# KiCad board Soldermander_panelized_panelized.kicad_pcb (continued)
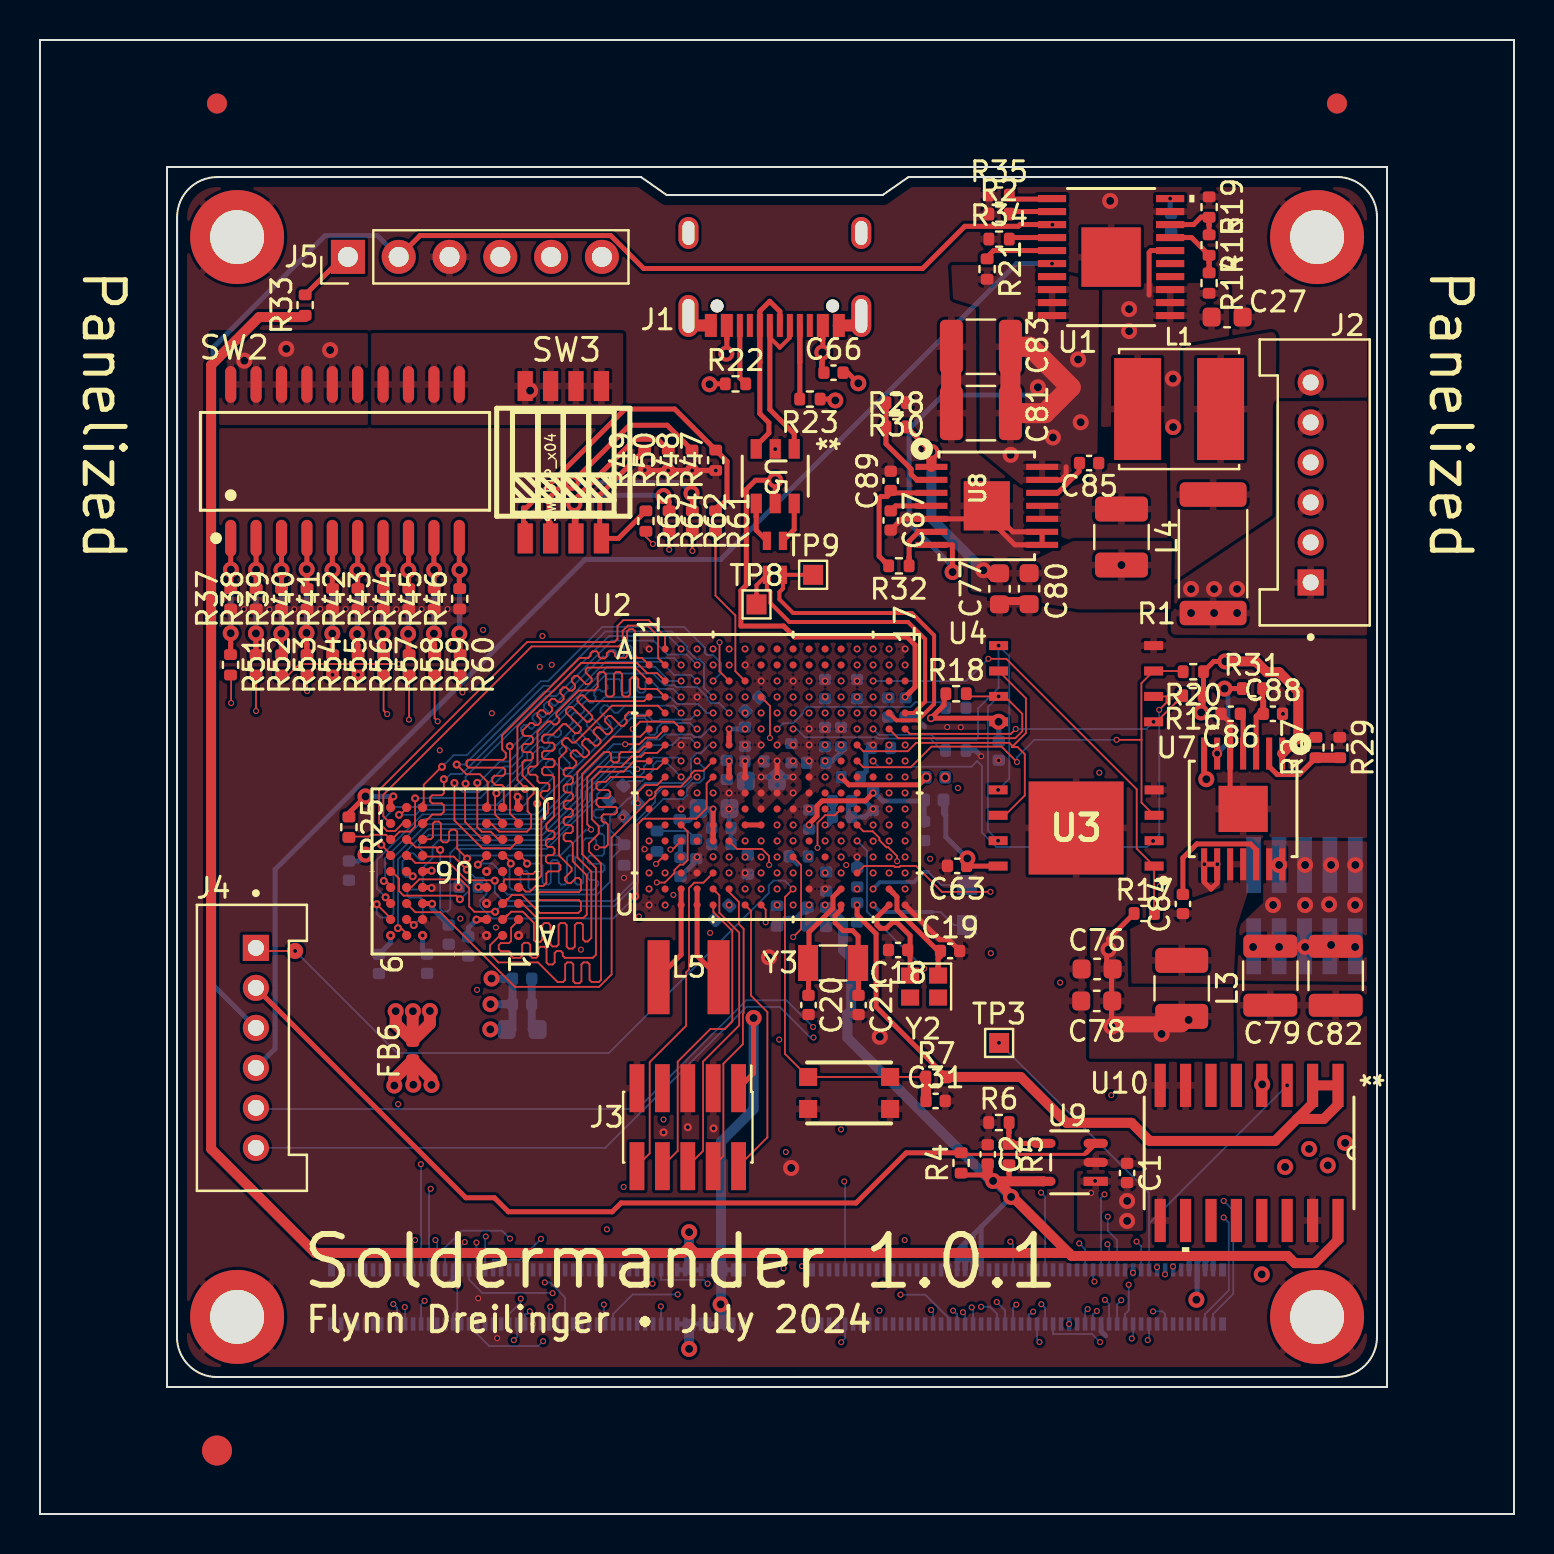
[diagram p0: board, top side]
## Routing (per net, layer and track width the routed paths; a pad name or vN(x,y) marks a point on that pad's centre or on a via; arc(x,y) is an arc through that point) (continued)
BT_CFG_IO_EN: length 33.5
  In1.Cu w0.09: v1(40.06,32.86) 39.76,32.56 39.76,16.62 41.61,14.77 41.61,10.53 v1(41.97,10.17)
  In2.Cu w0.09: 51.46,9.53 42.61,9.53 v1(41.97,10.17) ; 51.46,9.53 v1(51.46,9.5) ; 51.46,9.53 51.48,9.53
DAC_OUT: length 36.8
  Top w0.09: v1(42.46,37.66) 42.46,37.66 U2.H16
  In1.Cu w0.09: v1(54.83,13.62) 54.95,13.75 54.95,35.08 v1(52.97,37.07)
  In2.Cu w0.09: v1(52.97,37.07) 47.25,37.07 46.37,37.96 42.75,37.96 v1(42.46,37.66)
  Bottom w0.09: J6.20 55.06,13.4 v1(54.83,13.62)
DCDC_1V8_OUT: length 0.8
  Top w0.25: U2.M8 U2.M7
EN_ADCS: length 154.4
  Top w0.25: v1(50.62,64.47) 50.61,64.47 U1.13 49.01,64.48 48.92,64.39 46.24,64.39 44.13,62.28 30.18,62.28 28.54,63.93 19,63.93 J5.2 ; U10.4 61.09,21.46 v3(61.11,21.48)
  In1.Cu w0.25: v1(50.62,64.47) 58.34,64.47 65.2,57.61 65.2,37.67 60.04,32.51 60.04,22.55 v3(61.11,21.48) 61.11,11.97 61.11,11.97 v3(61.09,11.98) 61.07,11.97
  In2.Cu w0.25: v3(61.09,11.98) 60.62,11.51 55.2,11.51 v1(54.65,12.06)
  Bottom w0.25: J6.22 54.65,12.2 v1(54.65,12.06) ; J4.3 8.66,26.45 8.66,58.33 14.26,63.93 16.87,63.93 J5.2
EN_LP: length 48.2
  Top w0.15: 52.31,18.06 52.23,17.98 46.13,17.98 46.05,18.06
  Top w0.25: 52.31,18.06 U9.3 ; 46.06,18.06 46.05,18.06 43.31,18.06 40.8,15.55 29.05,15.55 28.61,15.11 23.42,15.11 22.72,15.81 21.29,15.81 J4.2 ; 46.06,18.06 R4.2 ; 46.06,18.06 46.09,18.02
ENET_RGMII_MDC: length 26.7
  Top w0.09: U2.U2 31.26,30.45 v1(31.26,30.44)
  In2.Cu w0.09: v1(31.26,30.44) 17.67,16.85 v1(17.67,10.5)
  Bottom w0.09: J7.85 17.86,10.31 v1(17.67,10.5)
ENET_RGMII_RX_EN: length 36.9
  Top w0.09: U2.E13 40.06,40.06 v1(40.06,40.06)
  In1.Cu w0.09: v1(33.38,11.52) 36.82,11.52 37.47,12.16 37.47,12.87 36.95,13.39 36.95,23.29 37.26,23.6 37.26,33.84 37.16,33.94 37.16,34.65 38.17,35.66 38.17,36.27 39.16,37.26 39.35,37.26 39.66,37.57 39.66,39.66 v1(40.06,40.06)
  Bottom w0.09: v1(33.38,11.52) 33.19,11.71 31.06,11.71 J7.20
ENET_RGMII_RXC: length 36.2
  Top w0.09: U2.D13 40.06,40.86 v1(40.06,40.86)
  In1.Cu w0.09: v1(30.63,11.52) 31.48,10.67 32.05,10.67 34.53,13.14 34.53,28.16 35.58,29.21 35.58,34.35 37.26,36.03 37.26,36.9 37.61,37.26 37.71,37.26 38.06,37.61 38.06,38.53 38.39,38.86 38.51,38.86 38.86,39.21 38.86,39.31 39.09,39.54 39.17,39.54 39.72,40.1 39.72,40.53 v1(40.06,40.86)
  Bottom w0.09: v1(30.63,11.52) 30.66,11.55 J7.22
ENET_RGMII_RXD0: length 0
  Top w0.09: v1(38.45,40.85) U2.D11
ENET_RGMII_RXD1: length 0
  Top w0.09: v1(38.45,40.05) U2.E11
ENET_RGMII_RXD2: length 0
  Top w0.09: v1(37.66,40.05) U2.E10
ENET_RGMII_RXD3: length 0
  Top w0.09: v1(38.45,41.65) U2.C11
ENET_RGMII_TX_EN_BT: length 26.7
  Top w0.09: v1(14.63,41.97) R55.2 ; v1(40.86,42.46) U2.B14 v1(40.86,42.46)
  In2.Cu w0.09: v1(14.63,41.97) 14.99,41.61 31.46,41.61 31.79,41.94 40.34,41.94 v1(40.86,42.46)
ENET_RGMII_TXC_BT: length 25.5
  Top w0.09: v1(15.9,41.97) R56.2 ; v1(40.86,43.26) U2.A14 v1(40.86,43.26)
  In2.Cu w0.09: v1(15.9,41.97) 16.89,42.96 40.56,42.96 v1(40.86,43.26)
ENET_RGMII_TXD0_BT: length 27.7
  Top w0.09: 13.35,41.97 R54.2 13.35,41.16 v1(13.36,41.16) ; v1(40.06,41.66) U2.C13 v1(40.06,41.66)
  In2.Cu w0.09: v1(40.06,41.66) 39.77,41.37 35.94,41.37 35.94,41.37 33.78,41.37 33.77,41.37 33.54,41.37 33.53,41.37 32.98,41.37 32.97,41.37 32.74,41.37 32.74,41.37 32.18,41.37 32.17,41.37 31.94,41.37 31.94,41.37 13.57,41.37 v1(13.36,41.16)
ENET_RGMII_TXD1_BT: length 30.1
  Top w0.09: 12.09,41.97 R53.2 ; 12.09,41.97 12.43,41.97 12.97,42.51 v1(17.91,42.51) ; 12.09,41.97 12.08,41.97 ; v1(41.66,43.26) U2.A15 v1(41.66,43.26)
  In2.Cu w0.09: v1(41.66,43.26) 41.18,42.78 18.18,42.78 v1(17.91,42.51)
ENET_RGMII_TXD2_BT: length 30.5
  Top w0.09: 10.8,41.97 R52.2 v1(10.8,40.16)
  In2.Cu w0.09: v1(10.8,40.16) 11,40.35 37.41,40.35 37.49,40.43 38.88,40.43 v1(39.26,40.06)
ENET_RGMII_TXD3_BT: length 29.7
  Top w0.09: v1(9.56,40.56) 9.56,41.93 R51.2 ; v1(37.66,40.86) U2.D10 v1(37.66,40.86)
  In2.Cu w0.09: v1(37.66,40.86) 37.33,40.53 9.58,40.53 v1(9.56,40.56)
FlexSPI_A_CLK: length 17.5
  Top w0.09: 48.68,38.35 48.59,38.35 48.64,38.4 ; 48.68,38.35 48.88,38.35 49.24,37.99 49.24,35.93 48.25,34.94 U3.6 ; 48.68,38.35 48.64,38.4 ; U2.G14 41.17,38.14 43.38,38.14 43.8,38.56 48.47,38.56 48.64,38.4 ; 48.64,38.4 49.3,39.06 49.3,40.79 47.93,42.16 U4.6
FlexSPI_A_D0: length 18.2
  Top w0.09: v1(47.93,43.43) U4.5
  Bottom w0.09: v1(41.66,39.26) 41.95,38.96 44.58,38.96 44.82,38.72 46.82,38.72 46.9,38.8 46.9,40.28 47.93,41.31 v1(47.93,43.43) 48.47,42.89 48.47,36.77 v1(47.91,36.21)
FlexSPI_A_D1: length 26.3
  Top w0.09: v1(55.96,40.22) 56.33,40.58 56.33,40.89 U4.2 ; U3.2 55.69,33.66 v1(55.66,33.66)
  Bottom w0.09: v1(41.66,37.66) 41.94,37.37 46.57,37.37 46.86,37.65 47.1,37.42 47.1,34.08 47.82,33.36 55.36,33.36 v1(55.66,33.66) 55.97,33.97 55.97,40.22 v1(55.96,40.22)
FlexSPI_A_D2: length 25
  Top w0.09: 55.08,38.71 v1(53.83,38.71) ; 55.08,38.71 55.08,39.26 55.07,39.26 55.07,41.55 U4.3 57.12,42.16 57.14,42.14 ; 55.08,38.71 55.08,35.57 U3.3 ; v1(48.85,37.6) 48.08,38.37 44.57,38.37 43.54,37.34 41.17,37.34 U2.H14 ; 57.14,42.14 R20.2 ; 57.14,42.14 57.15,42.14 57.17,42.12
  Bottom w0.09: v1(48.85,37.6) 48.85,37.84 49.72,38.71 v1(53.83,38.71)
FlexSPI_A_D3: length 18.8
  Top w0.09: 46.32,41.01 46.31,41.02 ; 46.32,41.01 46.44,40.89 U4.7 v1(47.93,40.89) 48.25,40.89 49.12,40.02 49.12,39.15 48.77,38.8 42.92,38.8 U2.F16 ; 46.32,41.01 R18.2
  Bottom w0.09: v1(47.91,33.67) 47.4,34.18 47.4,40.35 v1(47.93,40.89)
FlexSPI_A_SS0: length 15.3
  Top w0.09: 56.78,40.56 56.79,40.56 57.15,40.92 ; 56.78,40.56 R16.2 ; 56.78,40.56 55.83,39.62 v1(55.68,39.62) ; v1(48.79,39.26) 48.55,39.02 43.5,39.02 43.37,39.14 43.31,39.2 U2.F17
  Bottom w0.09: v1(55.68,39.62) 55.32,39.26 v1(48.79,39.26)
FlexSPI_A_SS1: length 22.9
  Top w0.09: 55.72,30.04 55.72,30.03 ; 55.72,30.04 55.71,30.05 U3.1 54.84,33.27 54.84,36.25 48.32,42.77 v1(47.42,42.77) ; 55.72,30.04 55.73,30.03 ; 55.73,30.03 R17.2 55.73,30.03 ; v1(41.66,41.66) U2.C15
  Bottom w0.09: v1(41.66,41.66) 46.31,41.66 v1(47.42,42.77)
GPIO_AD_00: length 32.5
  Top w0.09: U2.N12 39.26,33.66 v1(39.26,33.66)
  In1.Cu w0.09: v1(53.56,20.95) 53.69,20.81 53.69,11.06 v1(54.06,10.69)
  In4.Cu w0.09: v1(53.56,20.95) 53.56,22.97 43.24,33.3 39.63,33.3 v1(39.26,33.66)
  Bottom w0.09: v1(54.06,10.69) 53.86,10.48 J6.25
GPIO_AD_01: length 31.5
  Top w0.09: U2.R14 41.21,32.41 42.69,32.41 42.74,32.36 42.97,32.36 43.02,32.41 43.8,32.41 45.1,31.11 v1(47.52,31.11)
  In1.Cu w0.09: v1(53.24,10.71) 53.23,10.71 51.29,12.65 51.29,27.34 v1(47.52,31.11)
  Bottom w0.09: v1(53.24,10.71) 53.46,10.5 J6.27
GPIO_AD_02: length 30.2
  Top w0.09: U2.R13 40.06,32.06 v1(40.06,32.06)
  In1.Cu w0.09: v1(40.05,19.23) 40.05,32.06 v1(40.06,32.06)
  In4.Cu w0.09: v1(52.84,10.15) 52.84,10.19 50.77,12.27 48.85,12.27 41.89,19.23 v1(40.05,19.23)
  Bottom w0.09: J6.31 52.66,10 52.69,10 v1(52.84,10.15)
GPIO_AD_03: length 28.5
  In1.Cu w0.09: v1(47.54,28.04) 50.65,24.93 50.65,11.98 v1(52.38,10.25)
  In4.Cu w0.09: v1(41.66,32.86) 42.06,32.46 42.51,32.46 42.86,32.11 42.86,32.01 43.21,31.66 43.93,31.66 v1(47.54,28.04)
  Bottom w0.09: v1(52.38,10.25) 52.26,10.12 J6.33
GPIO_AD_06: length 36.5
  Top w0.09: U2.N13 40.06,33.65 v1(40.07,33.65)
  In1.Cu w0.09: v1(53,8.6) 53.16,8.76 53.16,10.25 51.01,12.4 v1(51.01,26.58)
  In4.Cu w0.09: v1(51.01,26.58) 50.25,26.58 43.57,33.26 43.57,33.83 43.4,34 40.41,34 v1(40.07,33.65)
  Bottom w0.09: J6.41 50.66,9 52.6,9 v1(53,8.6)
GPIO_AD_07: length 26.8
  In1.Cu w0.09: v1(43.26,31.26) 43.23,31.23 v1(43.23,13.7)
  In4.Cu w0.09: v1(50.07,10.49) 46.86,13.7 v1(43.23,13.7)
  Bottom w0.09: v1(50.07,10.49) 50.26,10.3 J6.43
GPIO_AD_08: length 31.1
  In1.Cu w0.09: v1(49.97,8.6) 44.92,8.6 42.41,11.11 42.41,11.64 42.26,11.79 42.26,18.66 41.37,19.55 41.37,31.77 v1(41.66,32.06)
  Bottom w0.09: v1(49.97,8.6) 49.86,8.72 J6.45
GPIO_AD_09: length 27.9
  In1.Cu w0.09: v1(49.66,10.12) 46.93,12.84 46.93,30.34 v1(44.51,32.76)
  In2.Cu w0.09: v1(42.46,32.06) 42.67,32.06 43.07,32.46 44.2,32.46 v1(44.51,32.76)
  Bottom w0.09: J6.47 49.46,10 49.54,10 v1(49.66,10.12)
GPIO_AD_10: length 28.2
  In1.Cu w0.09: v1(43.26,32.06) 42.95,31.75 42.95,12.44 45.82,9.56 47.91,9.56 v1(48.82,10.47)
  Bottom w0.09: v1(48.82,10.47) 48.66,10.31 J6.51
GPIO_AD_11: length 26.8
  In1.Cu w0.09: v1(47.84,10.6) 45.83,12.61 45.83,30.76 43.44,33.16 42.76,33.16 v1(42.46,32.86)
  Bottom w0.09: v1(47.84,10.6) 48.26,10.18 J6.53
GPIO_AD_12: length 25.5
  In1.Cu w0.09: v1(47.05,10.36) 44.88,12.54 44.88,31.24 v1(43.26,32.86)
  Bottom w0.09: J6.55 47.86,10 47.49,10.36 v1(47.05,10.36)
GPIO_AD_14: length 26.6
  Top w0.09: v1(40.86,33.66) 40.86,33.66 U2.N14
  In1.Cu w0.09: v1(44.21,27.27) 44.21,12.71 v1(46.59,10.33)
  Bottom w0.09: J6.61 46.66,10.26 v1(46.59,10.33) ; v1(44.21,27.27) 41.35,30.13 41.35,33.17 v1(40.86,33.66)
GPIO_AD_15: length 27.7
  Top w0.09: U2.M14 41.17,34.14 41.64,34.14 41.97,33.81 41.97,33.7 42.32,33.34 42.42,33.34 42.85,32.9 v1(42.85,32.65)
  In1.Cu w0.09: v1(42.85,32.65) 42.98,32.52 43.26,32.52 43.57,32.21 43.57,12.67 v1(46.15,10.09)
  Bottom w0.09: v1(46.15,10.09) 46.24,10 46.26,10 J6.63
GPIO_AD_16: length 29
  Top w0.09: v1(43.26,33.66) 43.26,33.66 U2.N17
  In1.Cu w0.09: v1(43.26,33.66) 43.26,33.6 46.7,30.17 46.7,12.58 48.16,11.12 48.16,10.43 47.5,9.78 46.05,9.78 v1(45.66,10.17)
  Bottom w0.09: v1(45.66,10.17) 45.83,10 45.86,10 J6.65
GPIO_AD_17: length 26.5
  Top w0.09: U2.N15 41.66,33.65 v1(41.66,33.64)
  In1.Cu w0.09: v1(41.66,33.64) 41.99,33.32 41.99,26.58 42.54,26.02 42.54,11.76 43.02,11.28 v1(43.02,10.97)
  Bottom w0.09: v1(43.02,10.97) 44.26,10.97 45.46,9.77 J6.67
GPIO_AD_18: length 26.5
  Top w0.09: U2.M16 42.46,34.46 v1(42.45,34.46)
  In1.Cu w0.09: v1(42.45,34.46) 42.75,34.16 42.75,33.5 42.44,33.19 42.35,33.19 42.17,33.01 42.17,32.66 42.48,32.34 42.57,32.34 42.74,32.17 42.74,12.02 v1(44.56,10.2)
  Bottom w0.09: v1(44.56,10.2) 44.66,10.1 J6.71
GPIO_AD_19: length 0
  Top w0.09: U2.L16 v1(42.45,35.25)
GPIO_AD_23: length 0
  Top w0.09: U2.J12 39.26,36.86 v1(39.26,36.86)
GPIO_AD_27: length 0
  Top w0.09: v1(42.46,33.65) U2.N16
GPIO_AD_28: length 30.1
  Top w0.09: U2.L17 v1(43.26,35.25)
  In1.Cu w0.09: v1(43.26,35.25) 42.86,34.86 42.38,34.86 42.09,34.57 42.09,34.44 41.8,34.16 41.72,34.16 41.18,33.62 41.18,18.54 42,17.72 42,11.65 v1(42.13,11.52)
  In4.Cu w0.09: v1(42.13,11.52) 40.06,9.46 v1(40.06,8.59)
  Bottom w0.09: J6.93 40.26,8.79 v1(40.06,8.59)
GPIO_AD_29: length 0
  Top w0.09: v1(43.25,34.45) U2.M17
GPIO_AD_30: length 0
  Top w0.09: U2.K17 v1(43.25,36.06)
GPIO_AD_31: length 0
  Top w0.09: U2.J17 v1(43.25,36.85)
GPIO_AD_32: length 0
  Top w0.09: v1(42.45,36.06) U2.K16
GPIO_AD_33: length 27
  Top w0.09: v1(43.26,37.65) U2.H17
  In1.Cu w0.09: v1(40.21,16.63) 40.35,16.76 40.35,32.42 v1(40.31,32.45)
  In2.Cu w0.09: v1(40.31,32.45) 40.36,32.51 40.36,35.23 42.39,37.26 42.86,37.26 v1(43.26,37.65)
  Bottom w0.09: v1(40.21,16.63) 40.26,16.59 J6.94
GPIO_AD_34: length 0
  Top w0.09: U2.J16 42.46,36.85 v1(42.47,36.85)
GPIO_AD_35: length 0
  Top w0.09: v1(43.26,38.45) U2.G17
GPIO_DISP_B2_00: length 21
  Top w0.09: R57.2 17.18,40.18 v1(17.36,40) ; v1(36.06,40.06) 36.06,40.06 U2.E8
  In2.Cu w0.09: v1(36.06,40.06) 35.73,39.73 20.45,39.73 20.17,40.01 17.36,40.01 v1(17.36,40)
GPIO_DISP_B2_01: length 20.4
  Top w0.09: v1(18.45,39.72) 18.45,39.73 R58.2 ; U2.F8 36.06,39.26 v1(36.06,39.26)
  In2.Cu w0.09: v1(18.45,39.72) 18.46,39.71 18.46,39.7 19.37,38.79 35.59,38.79 v1(36.06,39.26)
GPIO_DISP_B2_02: length 19.6
  Top w0.09: U2.E9 36.86,40.06 v1(36.86,40.06) ; R59.2 19.73,39.79 v1(19.88,39.64)
  In2.Cu w0.09: v1(19.88,39.64) 19.97,39.55 36.35,39.55 v1(36.86,40.06)
GPIO_DISP_B2_03: length 15.3
  Top w0.09: v1(21.12,41.09) 21.01,41.2 R60.2
  In2.Cu w0.09: 21.11,41.07 v1(21.12,41.09) 21.18,41.14 33.96,41.14 34.01,41.19 34.67,41.19 35.01,40.86 v1(35.26,40.86)
GPIO_DISP_B2_04: length 9.8
  Top w0.09: 35.1,41.81 35.18,41.73 ; 35.1,41.81 34.77,42.14 34.77,44.93 33.78,45.93 33.78,47.75 ; 35.1,41.81 35.26,41.66 ; 35.18,41.73 U2.C7 35.18,41.73 ; 33.78,47.75 33.78,49.16 ; 33.78,47.75 33.78,47.75 R61.2
GPIO_DISP_B2_05: length 9.9
  Top w0.09: v1(32.62,48.16) 32.62,48.31 32.62,48.32 R62.2 ; v1(36.86,41.65) U2.C9
  In1.Cu w0.09: v1(36.86,41.65) 35.77,42.74 35.04,42.74 34.74,43.04 34.74,43.37 32.95,45.16 32.62,45.16 v1(32.62,48.16)
GPIO_DISP_B2_06: length 43.2
  Top w0.09: v1(33.98,43.59) 33.98,42.14 U2.C6
  In1.Cu w0.09: v1(25.59,42.47) 25.59,29.72 25.46,29.59 25.46,14.17 v1(25.05,13.76)
  In4.Cu w0.09: v1(33.98,43.59) 26.71,43.59 v1(25.59,42.47)
  Bottom w0.09: J7.62 22.66,12.71 24,12.71 v1(25.05,13.76)
GPIO_DISP_B2_07: length 34.9
  Top w0.09: U2.D6 34.46,40.86 v1(34.46,40.86)
  In1.Cu w0.09: v1(22.29,13.88) 23.14,14.73 23.14,28.98 v1(22.8,29.33)
  In4.Cu w0.09: v1(22.8,29.33) 23.14,29.33 28.03,34.22 28.03,34.87 32.1,38.94 32.95,38.94 33.32,39.31 33.32,40.15 33.74,40.57 34.16,40.57 v1(34.46,40.86)
  Bottom w0.09: J7.64 22.26,13.84 v1(22.29,13.88)
GPIO_DISP_B2_08: length 41.1
  Top w0.09: U2.B5 33.66,42.46 v1(33.66,42.46)
  In1.Cu w0.09: v1(21.82,13.57) 21.98,13.41 22.35,13.41 24.7,15.77 24.7,35.2 24.53,35.38 24.53,35.66 24.99,36.13 v1(24.99,42.36)
  In2.Cu w0.09: v1(33.66,42.46) 33.35,42.16 25.2,42.16 v1(24.99,42.36)
  Bottom w0.09: v1(21.82,13.57) 21.82,12.75 21.86,12.71 J7.66
GPIO_DISP_B2_09: length 40.9
  Top w0.09: v1(36.5,38.81) 36.5,40.41 U2.D8
  In1.Cu w0.09: v1(29.95,29.88) 29.95,15.36 v1(25.63,11.04)
  In2.Cu w0.09: v1(29.95,29.88) 29.95,30.35 30.89,31.29 30.96,31.29 31.12,31.46 31.12,31.52 33.95,34.35 33.95,35.21 34.45,35.71 34.52,35.71 35.51,36.7 35.51,36.84 35.92,37.26 36.92,37.26 37.15,37.48 37.15,38.62 36.95,38.81 v1(36.5,38.81)
  Bottom w0.09: J7.68 21.46,11.71 22.11,11.06 25.62,11.06 v1(25.63,11.04)
GPIO_DISP_B2_10: length 37.1
  Top w0.09: v1(36.85,40.86) U2.D9
  In1.Cu w0.09: v1(21.85,26.21) 21.24,25.59 v1(21.24,13.6)
  In4.Cu w0.09: v1(36.85,40.86) 36.46,40.47 36.46,40.01 36.11,39.66 36.01,39.66 35.55,39.2 35.55,39.1 35.31,38.86 34.68,38.86 33.76,37.94 32.66,37.94 32.45,37.74 32.45,37.61 32.1,37.26 30.76,37.26 28.5,34.99 28.5,34.42 21.85,27.77 v1(21.85,26.21)
  Bottom w0.09: J7.70 21.06,13.42 v1(21.24,13.6)
GPIO_DISP_B2_11: length 45.6
  Top w0.09: v1(34.46,43.25) U2.A6
  In1.Cu w0.09: v1(25.12,43.91) 25.3,43.73 25.3,29.68 25.28,29.67 25.28,15.55 v1(23.5,13.77)
  In4.Cu w0.09: v1(25.12,43.91) 34.06,43.91 34.46,43.51 v1(34.46,43.25)
  Bottom w0.09: J7.74 20.26,13.33 21.09,14.16 23.11,14.16 v1(23.5,13.77)
GPIO_DISP_B2_12: length 42
  Top w0.09: U2.B6 34.46,42.45 v1(34.47,42.45)
  In1.Cu w0.09: v1(19.77,13.7) 20.58,14.5 20.58,33.13 22.44,35 22.44,39.9 v1(22.59,40.04)
  In4.Cu w0.09: v1(34.47,42.45) 34.08,42.06 32.8,42.06 32.57,41.83 32.57,41.74 31.97,41.14 23.69,41.14 v1(22.59,40.04)
  Bottom w0.09: J7.76 19.86,13.61 v1(19.77,13.7)
GPIO_DISP_B2_13: length 45.1
  Top w0.09: v1(33.65,43.26) U2.A5
  In1.Cu w0.09: v1(19.53,16.26) 20.38,17.11 20.38,33.19 22.24,35.05 22.24,44.13 v1(22.16,44.21)
  In2.Cu w0.09: v1(22.16,44.21) 32.7,44.21 v1(33.65,43.26)
  Bottom w0.09: v1(19.53,16.26) 19.46,16.19 J7.78
GPIO_DISP_B2_14: length 44.1
  Top w0.09: v1(35.25,43.26) U2.A7
  In1.Cu w0.09: v1(19.04,17.49) 20.11,18.56 20.11,32.31 19.67,32.75 19.67,37.87 v1(19.99,38.19)
  In4.Cu w0.09: v1(19.99,38.19) 23.74,41.94 31.97,41.94 32.57,42.54 32.57,42.58 32.85,42.85 34.84,42.85 v1(35.25,43.26)
  Bottom w0.09: v1(19.04,17.49) 19.06,17.48 J7.80
GPIO_DISP_B2_15: length 46
  Top w0.09: U2.A4 v1(32.85,43.25)
  In1.Cu w0.09: v1(18.75,13.7) 17.14,15.32 17.14,29.29 19.14,31.29 19.14,42.25 v1(20.4,43.52)
  In2.Cu w0.09: v1(32.85,43.25) 32.52,43.58 21.32,43.58 21.19,43.45 20.47,43.45 v1(20.4,43.52)
  Bottom w0.09: J7.82 18.66,13.6 v1(18.75,13.7)
GPIO_EMC_B1_40: length 31.4
  Top w0.09: U2.K1 30.46,36.06 v1(30.46,36.06)
  In4.Cu w0.09: v1(48.52,13.62) 38.96,23.18 38.96,26.46 33.24,32.18 33.24,33.28 v1(30.46,36.06)
  Bottom w0.09: J6.52 48.66,13.48 v1(48.52,13.62)
GPIO_EMC_B2_01: length 32.3
  Top w0.09: v1(32.85,36.06) U2.K4
  In1.Cu w0.09: v1(27.05,28.22) 27.05,13.39 v1(25.24,11.58)
  In4.Cu w0.09: v1(32.85,36.06) 32.53,36.38 30.2,36.38 28.83,35.02 28.83,30.01 v1(27.05,28.22)
  Bottom w0.09: v1(25.24,11.58) 25.5,11.58 26.26,10.83 J7.43
GPIO_EMC_B2_03: length 24.7
  Top w0.09: U2.R1 30.46,32.06 v1(30.45,32.06)
  In1.Cu w0.09: v1(30.45,32.06) 30.14,31.75 30.14,30.09 30.23,30 30.23,15.09 v1(25.51,10.37)
  Bottom w0.09: v1(25.51,10.37) 25.46,10.31 J7.47
GPIO_EMC_B2_05: length 31.9
  Top w0.09: v1(30.45,33.66) 30.46,33.66 U2.N1
  In1.Cu w0.09: v1(24.49,10.14) 24.22,10.14 23.73,10.64 23.73,11.97 25.7,13.95 25.7,29.58 27.4,31.28 27.4,31.39 30.14,34.13 31.02,34.13 31.81,33.35 31.81,33.1 31.6,32.89 31.22,32.89 v1(30.45,33.66)
  Bottom w0.09: v1(24.49,10.14) 24.35,10 24.26,10 J7.53
GPIO_EMC_B2_06: length 26.9
  Top w0.09: U2.T1 30.46,31.26 v1(30.45,31.26)
  In1.Cu w0.09: v1(30.45,31.26) 30.77,30.94 30.77,15.21 24.25,8.69 v1(23.69,8.69)
  Bottom w0.09: v1(23.69,8.69) 23.86,8.86 J7.55
GPIO_EMC_B2_07: length 29.4
  Top w0.09: U2.M3 32.38,34.13 32.38,32.7 32.16,32.48 32,32.48 31.72,32.2 31.72,32.06 31.25,31.58 v1(30.84,31.58)
  In1.Cu w0.09: v1(31.18,19.73) 30.96,19.95 30.96,31.46 v1(30.84,31.58)
  In4.Cu w0.09: v1(24.04,10.77) 24.04,10.91 28.03,14.9 28.03,16.62 31.13,19.73 v1(31.18,19.73)
  Bottom w0.09: J7.57 23.46,10 24.04,10.58 v1(24.04,10.77)
GPIO_EMC_B2_10: length 30.4
  Top w0.09: U2.R2 31.26,32.06 v1(31.25,32.06)
  In1.Cu w0.09: v1(25.16,8.64) 31.58,15.06 31.58,30.64 31.25,30.97 v1(31.25,32.06)
  Bottom w0.09: J7.65 21.86,9 22.46,8.4 24.91,8.4 v1(25.16,8.64)
GPIO_EMC_B2_13: length 35.7
  Top w0.09: U2.K5 33.66,36.06 v1(33.66,36.06)
  In1.Cu w0.09: v1(21.02,29.77) 20.87,29.62 v1(20.87,11.41)
  In2.Cu w0.09: v1(33.66,36.06) 31.94,34.34 29.53,34.34 26.09,30.9 22.15,30.9 v1(21.02,29.77)
  Bottom w0.09: v1(20.87,11.41) 20.87,10.21 20.66,10 J7.71
GPIO_EMC_B2_16: length 31.2
  Top w0.09: U2.P2 31.14,32.86 v1(30.8,32.51)
  In1.Cu w0.09: v1(29.18,16.35) 29.18,31.27 30.43,32.51 v1(30.8,32.51)
  In2.Cu w0.09: v1(19.23,10.66) 21.15,10.66 26.84,16.35 v1(29.18,16.35)
  Bottom w0.09: J7.79 19.06,10.49 v1(19.23,10.66)
GPIO_EMC_B2_18: length 35.3
  Top w0.09: v1(31.52,33.23) 31.63,33.23 U2.N3
  In1.Cu w0.09: v1(31.52,33.23) 30.8,33.95 30.31,33.95 28.35,31.98 v1(28.35,14.24)
  In2.Cu w0.09: v1(28.35,14.24) 26.23,14.24 22.34,10.35 v1(18.24,10.35)
  Bottom w0.09: v1(18.24,10.35) 18.26,10.33 J7.83
GPIO_LPSR_00: length 39.3
  Top w0.09: v1(36.46,32.46) 36.46,32.9 36.1,33.26 34.86,33.26 U2.N6
  In4.Cu w0.09: v1(59.19,15.66) 58.34,15.66 42.4,31.6 40.09,31.6 39.66,32.03 39.66,32.11 39.31,32.46 v1(36.46,32.46)
  Bottom w0.09: v1(59.19,15.66) 59.66,15.18 59.66,11.01 58.66,10 J6.1
GPIO_LPSR_01: length 38
  Top w0.09: U2.R6 34.46,32.06 v1(34.45,32.06)
  In2.Cu w0.09: v1(34.45,32.06) 34.45,31.66 36.24,29.87 44.14,29.87 v1(59.19,14.83)
  Bottom w0.09: J6.3 58.26,10 59.44,11.19 59.44,14.57 v1(59.19,14.83)
GPIO_LPSR_02: length 18.6
  Top w0.09: v1(34.46,32.85) U2.P6 ; R63.2 30.3,48.86 v1(30.65,48.51)
  In1.Cu w0.09: v1(34.46,32.85) 32.34,34.97 32.34,47.74 31.58,48.51 v1(30.65,48.51)
GPIO_LPSR_03: length 19.9
  Top w0.09: v1(35.26,31.26) 35.26,31.26 U2.T7 ; v1(31.46,48.22) 31.46,48.25 31.46,48.26 R64.2
  In1.Cu w0.09: v1(35.26,31.26) 34.66,31.26 33.14,32.78 33.14,32.97 32.98,33.14 32.78,33.14 31.46,34.46 v1(31.46,48.22)
GPIO_LPSR_04: length 0
  Top w0.09: U2.N7 35.26,33.66 v1(35.26,33.66)
GPIO_LPSR_05: length 33.6
  Top w0.09: v1(36.06,33.66) 36.06,33.66 U2.N8
  In4.Cu w0.09: v1(36.06,33.66) 35.74,33.35 35.74,31.17 35.94,30.97 36.77,30.97 37.25,30.49 37.25,30.38 53.82,13.82 53.82,12.49 54.55,11.76 54.67,11.76 55.65,10.77 v1(55.65,10.13)
  Bottom w0.09: J6.13 56.26,10 56.12,10.13 v1(55.65,10.13)
GPIO_LPSR_06: length 0
  Top w0.09: U2.P8 v1(36.06,32.85)
GPIO_LPSR_07: length 33.4
  Top w0.09: v1(36.05,32.06) 36.06,32.06 U2.R8
  In4.Cu w0.09: v1(36.05,32.06) 36.56,31.55 37.01,31.55 37.25,31.31 37.25,31.21 37.71,30.75 37.82,30.75 38.04,30.52 38.04,30.12 52.58,15.58 53.12,15.58 53.69,15.01 53.69,14.32 55.39,12.62 55.39,11.84 56,11.23 56,9.3 v1(55.39,8.69)
  Bottom w0.09: v1(55.39,8.69) 55.46,8.76 J6.17
GPIO_LPSR_08: length 30.2
  Top w0.09: v1(36.29,29.59) 36.29,30.23 U2.U8
  In4.Cu w0.09: v1(54.59,8.78) 54.59,8.91 49.89,13.61 49.89,13.77 49.72,13.94 49.56,13.94 40.17,23.32 40.17,25.7 v1(36.29,29.59)
  Bottom w0.09: J6.21 54.66,8.84 v1(54.59,8.78)
GPIO_LPSR_09: length 32.8
  Top w0.09: U2.P5 33.66,32.88 v1(33.65,32.88)
  In4.Cu w0.09: v1(54.44,11.47) 52.24,13.66 52.24,14.67 37.78,29.14 37.51,29.14 35.86,30.79 35.28,30.79 34.75,31.32 34.75,32.22 34.5,32.46 34.07,32.46 v1(33.65,32.88)
  Bottom w0.09: v1(54.44,11.47) 54.44,10.18 54.26,10 J6.23
GPIO_SD_B1_00: length 35.1
  Top w0.09: U2.B16 42.46,42.46 v1(42.46,42.46)
  In1.Cu w0.09: v1(42.46,42.46) 43.64,41.29 43.64,39.52 52.28,30.88 52.28,21.03 53.04,20.26 53.04,16.54 52.91,16.41 52.91,15.34 v1(53.39,14.87)
  Bottom w0.09: v1(53.39,14.87) 53.39,14.16 53.86,13.7 J6.26
GPIO_SD_B1_01: length 33.6
  Top w0.09: U2.D15 41.66,40.86 v1(41.66,40.86)
  In1.Cu w0.09: v1(41.66,40.86) 41.83,40.86 52.07,30.63 52.07,14.8 v1(53.37,13.49)
  Bottom w0.09: v1(53.37,13.49) 53.46,13.41 J6.28
GPIO_SD_B1_03: length 34.5
  Top w0.09: U2.B17 v1(43.25,42.45)
  In1.Cu w0.09: v1(43.25,42.45) 43.99,41.72 43.99,39.63 52.48,31.14 52.48,22.79 53.22,22.04 v1(53.22,15.98)
  Bottom w0.09: J6.30 53.06,15.82 v1(53.22,15.98)
GPIO_SD_B1_04: length 36.6
  Top w0.09: v1(41.66,42.46) 41.66,42.46 U2.B15
  In1.Cu w0.09: v1(52.72,11.62) 51.66,12.69 51.66,28.92 44.71,35.87 44.71,37.5 41.64,40.58 41.54,40.58 41.37,40.75 41.37,40.98 41.54,41.15 41.66,41.15 41.95,41.44 41.95,42.18 v1(41.66,42.46)
  Bottom w0.09: J6.32 52.66,11.69 v1(52.72,11.62)
GPIO_SD_B1_05: length 35.1
  Top w0.09: v1(42.46,43.26) 42.46,43.26 U2.A16
  In1.Cu w0.09: v1(45.9,36.3) 51.89,30.32 51.89,13.61 v1(51.96,13.53)
  In4.Cu w0.09: v1(45.9,36.3) 45.9,37.33 42.85,40.37 42.85,42.87 v1(42.46,43.26)
  Bottom w0.09: J6.34 52.26,13.24 v1(51.96,13.53)
GPIO_SNVS_00: length 0
  Top w0.09: v1(37.66,32.06) 37.66,32.06 U2.R10
GPIO_SNVS_01: length 26.8
  Top w0.09: v1(37.66,28.85) 38.06,29.25 38.06,32.46 U2.P10
  In1.Cu w0.09: v1(37.66,28.85) 37.66,18.47 v1(37.29,18.1)
  In4.Cu w0.09: v1(37.29,18.1) 37.02,17.83 37.02,15.68 31.73,10.38 v1(31.04,10.38)
  Bottom w0.09: v1(31.04,10.38) 31.06,10.37 J7.19
GPIO_SNVS_03: length 0
  Top w0.09: U2.M10 37.66,34.45 v1(37.67,34.45)
GPIO_SNVS_04: length 0
  Top w0.09: U2.N10 37.66,33.67 v1(37.66,33.67)
GPIO_SNVS_05: length 0
  Top w0.09: v1(36.86,32.85) U2.P9
GPIO_SNVS_06: length 33
  Top w0.09: U2.M9 v1(36.85,34.45)
  In1.Cu w0.09: v1(33.51,29.06) 33.04,28.6 33.04,12.14 v1(31.89,10.98)
  In2.Cu w0.09: v1(33.51,29.06) 33.15,29.06 31.3,30.91 31.3,31.02 32.85,32.57 33,32.57 33.24,32.81 33.24,32.93 34.76,34.45 v1(36.85,34.45)
  Bottom w0.09: J7.31 28.66,10 29.64,10.98 v1(31.89,10.98)
GPIO_SNVS_07: length 29.3
  Top w0.09: v1(36.85,32.06) 36.86,32.06 U2.R9
  In1.Cu w0.09: v1(28.19,10.47) 31.84,14.12 31.84,30.79 v1(31.67,30.96)
  In2.Cu w0.09: v1(31.67,30.96) 33.11,32.4 34.56,32.4 34.96,32 34.96,31.9 35.15,31.72 36.51,31.72 v1(36.85,32.06)
  Bottom w0.09: v1(28.19,10.47) 28.19,10.06 28.26,10 J7.33
GPIO_SNVS_08: length 0
  Top w0.09: v1(36.87,33.65) 36.86,33.65 U2.N9
GPIO_SNVS_09: length 0
  Top w0.09: U2.R11 v1(38.45,32.05)
JTAG_MOD: length 0
  Bottom w0.25: v1(34.46,30.46) 34.46,30.43 R10.2
JTAG_TDI: length 15.5
  Top w0.09: U2.U5 33.66,30.29 33.67,30.28 ; J3.8 31.88,18.16 31.88,22.62 33.52,24.25 34.24,24.25 34.61,24.63 34.61,29.16 33.67,30.11 33.67,30.28 ; 33.67,30.28 33.67,30.44
JTAG_TDO: length 15.7
  Top w0.09: 33.81,31.1 33.97,30.94 33.97,30.07 34.96,29.07 34.96,24.43 33.15,22.63 33.15,18.16 J3.6 ; 33.81,31.1 U2.T5 33.81,31.1
LPUART1_RX_BOOT: length 43.7
  In1.Cu w0.09: v1(38.67,23.83) 39.58,24.73 39.58,32.78 39.94,33.14 39.96,33.14 40.35,33.54 40.35,33.77 41.04,34.46 v1(41.66,34.46)
  Bottom w0.09: v1(38.67,23.83) 38.51,23.83 36.98,25.36 35.31,25.36 28.27,18.31 J4.6
LPUART1_TX_BOOT: length 50
  Top w0.09: 39.9,35.1 39.74,34.94 39.26,34.94 38.88,34.56 v1(38.88,33.31) ; 39.9,35.1 U2.L13 39.9,35.1
  In1.Cu w0.09: v1(38.88,33.31) 38.88,28.35 38.66,28.13 v1(38.66,24.36)
  In2.Cu w0.09: v1(17.91,20.5) 17.72,20.31 J4.5
  Bottom w0.09: v1(17.91,20.5) 17.91,20.26 ; 17.91,20.26 10.85,20.26 ; 17.91,20.26 29.88,20.26 35.31,25.69 37.32,25.69 v1(38.66,24.36)
ONOFF: length 37.2
  Top w0.09: v1(37.66,30.45) U2.U10
  In1.Cu w0.09: 38.09,12.38 v1(38.1,12.39) 38.1,30.01 v1(37.66,30.45)
  In2.Cu w0.09: v1(38.1,12.39) 38.39,12.68 56.34,12.68 v1(56.65,12.37)
  Bottom w0.09: J6.12 56.65,12.22 v1(56.65,12.37)
OTG1_D_N: length 17.5
  Top w0.2: U2.E16 42.82,39.69 43.89,39.69 44.71,40.51 44.71,43.94 43.59,45.06 37.66,45.06 36.97,45.74 36.97,46.11 37.15,46.28 L2.3 TP9.1
OTG1_D_P: length 16.9
  Top w0.2: U2.E17 43.69,40.06 44.26,40.62 44.26,43.76 43.41,44.61 37.47,44.61 36.52,45.55 36.52,46.11 36.35,46.28 L2.2 35.83,46.45 TP8.1
  Top w0.25: 35.83,45.97 TP8.1 ; 36.35,46.62 L2.2
P_GOOD: length 61.7
  Bottom w0.25: v1(50.6,62.53) 48.83,62.53 34.03,47.73 27.25,47.73 11.76,32.24 11.76,23.27 J4.4